# Allegro board 1140022-KU060_PCIE_FIBER_BOARD_V001_pcb166_20240120_1835_pcb.brd (continued)
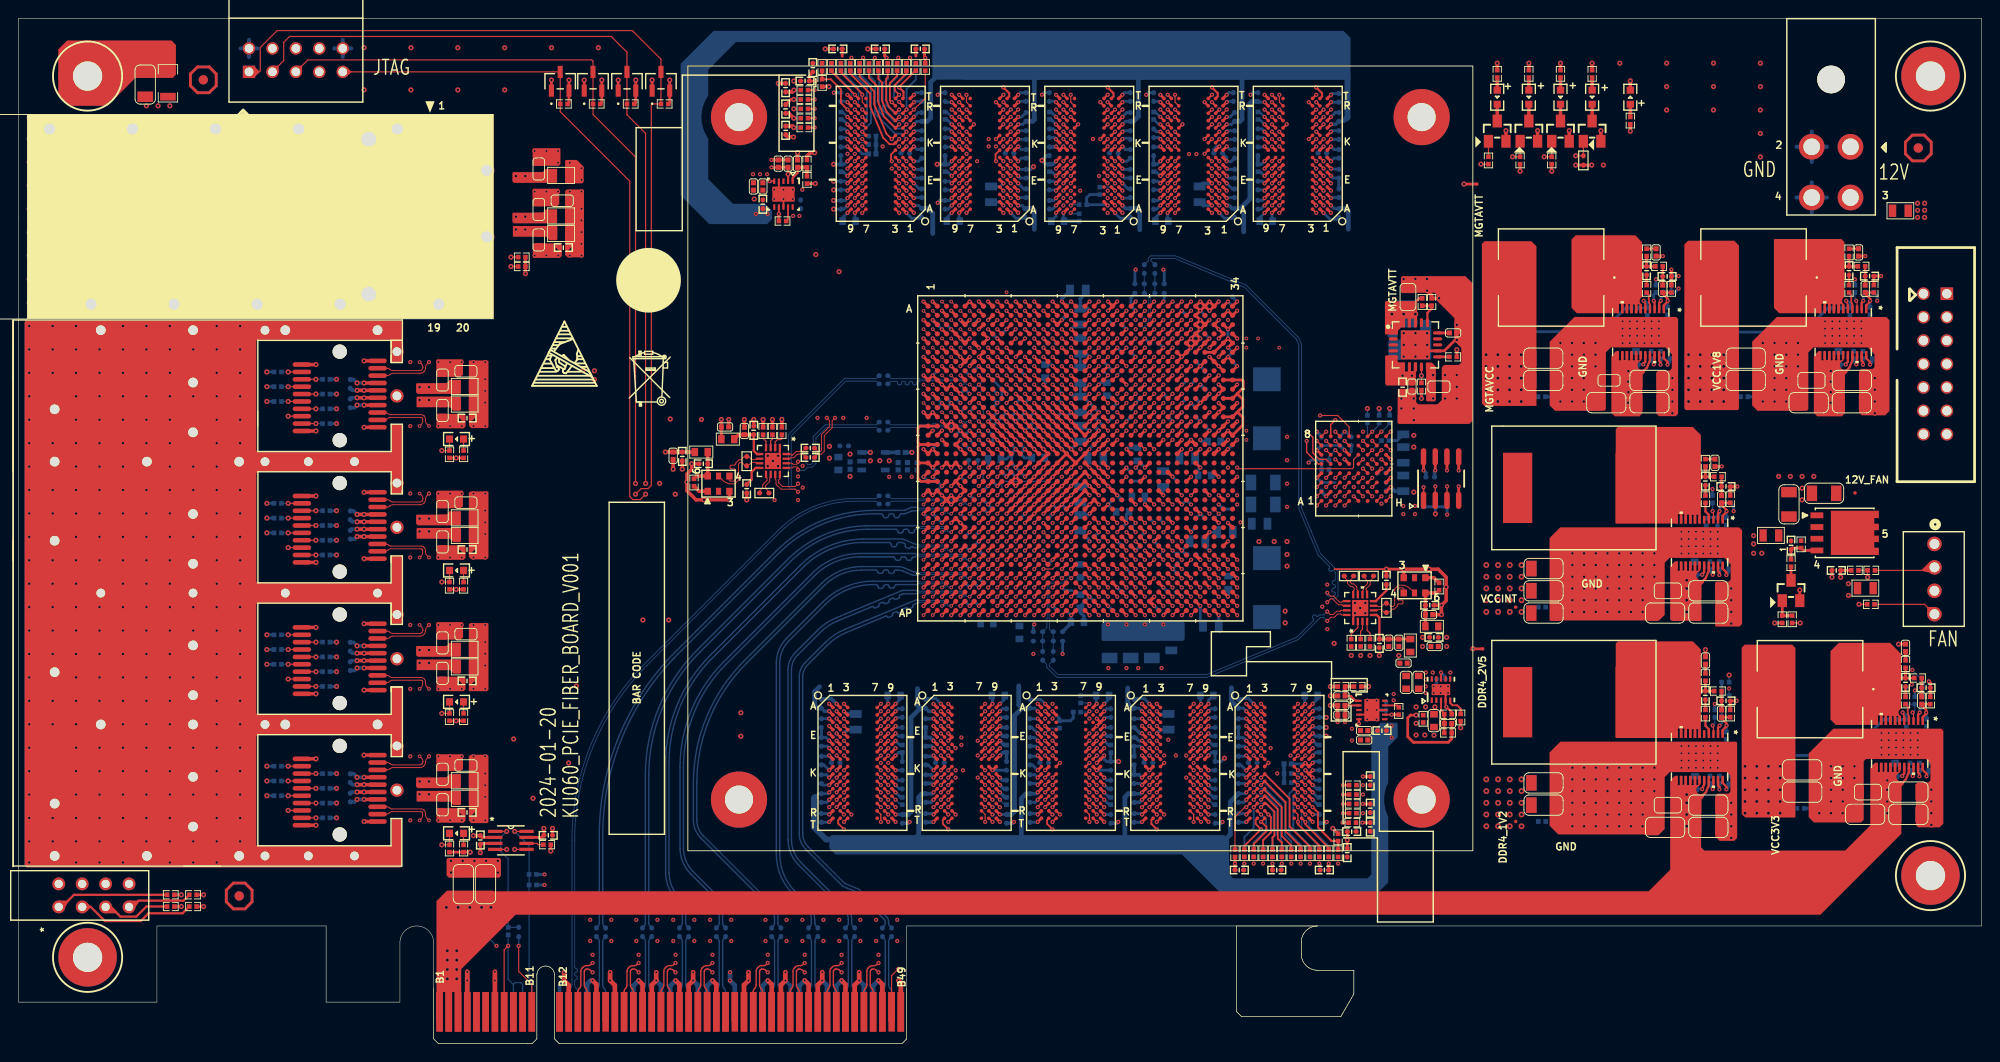
[diagram p0: board, top side]
## Copper pours and planes (outline as drawn; the poured copper is in the pictures) (continued)
VCC12V on TOP (solid shape): 175.98,75.05 175.98,74.88 175.98,74.86 175.94,74.76 175.92,74.66 175.92,74.1 175.83,74.01 175.82,74 175.54,73.37 176.18,73.11 176.28,73.1 176.33,73.02 176.33,72.78 176.04,72.49 176.04,68.33 175.71,68 173.05,68 172.67,68.38 172.67,74.58 173.16,75.07 173.48,75.07 173.48,74.13 173.53,74.08 173.66,74.08 173.72,74.13 173.72,75.07 173.99,75.07 173.99,74.17 174.04,74.11 174.16,74.11 174.21,74.17 174.21,75.08 174.5,75.08 174.5,74.12 174.55,74.07 174.67,74.07 174.72,74.12 174.72,75.08 174.99,75.08 174.99,74.13 175.04,74.08 175.17,74.08 175.22,74.13 175.22,75.07 175.49,75.07 175.49,74.14 175.54,74.09 175.67,74.09 175.72,74.14 175.72,75.06 175.76,75.1 175.94,75.1
VCC12V on TOP (solid shape): 197.93,75.05 197.93,74.88 197.92,74.86 197.88,74.76 197.87,74.66 197.87,74.1 197.78,74.01 197.77,74 197.48,73.37 198.13,73.11 198.22,73.1 198.27,73.02 198.27,72.78 197.98,72.49 197.98,68.33 197.65,68 195,68 194.62,68.38 194.62,74.58 195.11,75.07 195.43,75.07 195.43,74.13 195.48,74.08 195.61,74.08 195.66,74.13 195.66,75.07 195.94,75.07 195.94,74.17 195.99,74.11 196.1,74.11 196.15,74.17 196.15,75.08 196.44,75.08 196.44,74.12 196.49,74.07 196.61,74.07 196.66,74.12 196.66,75.08 196.94,75.08 196.94,74.13 196.99,74.08 197.11,74.08 197.17,74.13 197.17,75.07 197.44,75.07 197.44,74.14 197.49,74.09 197.62,74.09 197.67,74.14 197.67,75.06 197.7,75.1 197.88,75.1
VCC12V on TOP (solid shape): 204.05,30.42 204.05,30.24 204.04,30.23 204,30.13 203.99,30.02 203.99,29.47 203.9,29.37 203.89,29.37 203.6,28.73 204.25,28.47 204.35,28.47 204.39,28.38 204.39,28.15 204.1,27.86 204.1,22.74 195.34,13.97 53.9,13.97 48.01,8.08 48.01,1.4 47.9,1.3 47.29,1.3 47.29,5.59 46.99,5.59 46.99,1.3 46.3,1.3 46.3,5.59 46,5.59 46,1.35 45.95,1.3 45.69,1.3 45.68,1.31 45.35,1.31 45.31,1.35 45.31,15.44 46.46,16.59 51.44,16.59 51.51,16.51 176.71,16.51 179.05,18.85 179.05,28.53 179.54,29.02 179.86,29.02 179.86,28.08 179.91,28.03 180.04,28.03 180.09,28.08 180.09,29.02 180.37,29.02 180.37,28.12 180.42,28.06 180.53,28.06 180.59,28.12 180.59,29.02 180.88,29.02 180.88,28.07 180.93,28.02 181.04,28.02 181.1,28.07 181.1,29.03 181.37,29.03 181.37,28.08 181.42,28.03 181.55,28.03 181.6,28.08 181.6,29.02 181.87,29.02 181.87,28.09 181.92,28.04 182.05,28.04 182.1,28.09 182.1,29.01 182.14,29.05 182.32,29.05 182.36,29 182.36,28.83 182.36,28.81 182.32,28.71 182.3,28.61 182.3,28.05 182.21,27.96 182.2,27.95 181.91,27.32 182.56,27.06 182.66,27.05 182.7,26.97 182.7,26.73 182.42,26.44 182.42,22.99 182.4,22.97 182.4,21.29 182.75,20.93 198.02,20.93 200.74,23.65 200.74,29.95 201.23,30.44 201.55,30.44 201.55,29.49 201.6,29.44 201.73,29.44 201.78,29.49 201.78,30.44 202.06,30.44 202.06,29.53 202.11,29.48 202.22,29.48 202.27,29.53 202.27,30.44 202.56,30.44 202.56,29.49 202.61,29.44 202.73,29.44 202.78,29.49 202.78,30.44 203.06,30.44 203.06,29.49 203.11,29.44 203.24,29.44 203.29,29.49 203.29,30.44 203.56,30.44 203.56,29.5 203.61,29.45 203.74,29.45 203.79,29.5 203.79,30.43 203.83,30.46 204.01,30.46
VCC12V on TOP: 204.57,91.82 207.44,91.82 207.54,91.72 207.54,89.51 207.14,89.1 204.62,89.1 204.39,89.33 204.39,91.64
VCC12V on TOP: 187.66,56.11 189.43,56.11 189.59,55.96 189.59,54.2 189.57,54.19 189.57,52.79 189.53,52.76 187.71,52.76 187.55,52.91 187.55,56.01
VCC12V on BOTTOM: 179.27,49.02 179.27,49.03 179.27,50.06 179.76,50.55 180.77,50.55 182.39,48.93 182.39,45.76 182.27,45.64 179.32,45.64 179.27,45.7
VCC12V on BOTTOM: 173.05,68.06 172.89,68.23 172.89,71.83 172.89,71.84 172.89,72.66 173.46,73.23 174.52,73.23 176.01,71.74 176.01,68.23 175.85,68.06
VCC12V on BOTTOM: 46.18,5.92 46.18,10.31 46.3,10.44 47.9,10.44 48.03,10.31 48.03,1.27 47.99,1.23 47.33,1.23 47.27,1.3 47.27,5.61 46.99,5.61 46.99,1.27 46.94,1.22 46.41,1.22 46.33,1.3 46.33,5.77
VCC12V on BOTTOM: 195,68.06 194.83,68.23 194.83,71.83 194.84,71.84 194.84,72.66 195.4,73.23 196.47,73.23 197.96,71.74 197.96,68.23 197.79,68.06
VCC12V on BOTTOM: 179.27,25.78 179.27,25.79 179.27,26.49 180.14,27.36 180.85,27.36 182.39,25.81 182.39,22.42 182.3,22.33 179.45,22.33 179.27,22.51
VCC12V on BOTTOM: 201.12,23.43 200.95,23.59 200.95,28.18 201.65,28.88 202.51,28.88 204.08,27.32 204.08,23.59 203.91,23.43
VCC12V on ART05: 202.95,81.08 202.95,15.93 201,13.98 54.39,13.98 51.16,10.74 51.16,6.83 50.47,6.15 46.33,6.15 45.9,6.58 45.9,15.75 46.66,16.51 170.36,16.51 171.45,17.6 171.45,92.48 173.58,94.61 173.58,98.86 174.27,99.54 175.26,99.54 180.94,93.87 185.48,93.87 185.5,93.85 206.73,93.85 207.57,93.01 207.57,85.7
VCC12VIN on TOP: 197.31,98.83 203.28,98.83 203.56,98.55 203.56,89.71 203.17,89.33 197.36,89.33 196.95,89.74 196.95,98.48
CHA_12V_FAN on TOP: 196.6,60.55 207.87,60.55 208.53,59.89 208.53,53.04 208.18,52.68 196.88,52.68 196.49,53.06 196.49,60.45
CHA_DDR4_2V5 on TOP: 153.87,35.81 153.87,35.38 153.85,35.36 151.21,35.36 151.1,35.46 151.1,37.31 151.31,37.52 153.31,37.52 153.31,36.93 153.59,36.93 153.59,37.52 153.82,37.52 153.82,35.86
CHA_DDR4_2V5 on TOP: 83.85,91.06 84.86,91.06 84.99,90.93 84.99,89.71 84.79,89.51 83.87,89.51 83.79,89.59 83.79,91.01
CHA_DDR4_2V5 on TOP: 147.8,38 147.88,38.07 149.33,38.07 149.4,38 149.4,37.13 149.25,36.98 147.93,36.98 147.8,37.11
CHA_DDR4_2V5 on BOTTOM: 148.97,35.36 148.69,35.64 148.69,36.78 148.03,36.78 147.96,36.86 147.96,38.54 147.32,39.18 138.19,39.18 138.18,39.17 132.33,38.35 86.61,38.35 86.49,38.48 86.49,38.89 86.69,39.09 130.61,39.09 137.41,41.45 149.33,41.45 149.35,41.48 155.09,41.48 155.32,41.71 155.32,83.49 152.2,86.61 83.49,86.61 82.04,88.06 82.04,90.5 82.35,90.81 85.83,90.81 88.24,88.39 153.7,88.39 158.09,84 158.09,36.25 157.23,35.38 153.87,35.38 153.85,35.36 ; 4 cut-outs
CHA_DDR4_2V5 on ART05: 121.06,25.04 121.06,23.06 121.28,22.83 128.12,22.83 128.52,23.24 128.52,24.89 128.7,25.07 131.98,25.07 132.28,24.77 132.28,23.57 132.89,22.96 139.67,22.96 139.85,23.14 139.85,24.79 139.83,24.82 140.06,25.04 141.25,25.04 141.68,25.48 141.68,32.26 143.13,33.71 147.02,33.71 147.68,34.37 147.68,37.1 148.72,38.14 151.79,38.14 152.36,37.57 156.21,37.57 156.59,37.19 156.59,23.44 154.53,21.39 118.8,21.39 117.37,22.81 117.37,24.99 117.55,25.17 120.93,25.17
CHA_DDR4_2V5 on ART10: 109.5,101.85 109.5,103.71 109.23,103.98 101.83,103.98 101.42,103.57 101.42,101.92 101.24,101.75 97.85,101.75 97.66,101.93 97.66,103.24 97.05,103.85 90.78,103.85 90.3,103.37 90.3,101.93 90.14,101.77 88.16,101.77 87.81,101.42 87.81,90.25 86.87,89.31 82.52,89.31 82.19,89.64 82.19,105 82.2,105 82.2,105.74 82.98,106.53 122.57,106.53 124.05,105.05 124.05,102.05 123.83,101.82 122.58,101.82 122.57,101.81 120.69,101.81 120.52,101.98 120.52,103.19 119.91,103.8 113.56,103.8 112.73,102.97 112.73,101.95 112.52,101.75 109.61,101.75
CHA_DDR4_C1_VREF on BOTTOM (solid shape): 149.5,34.67 149.5,33.2 148.49,32.18 148.49,28.3 148.04,26.45 148.49,24.6 148.49,17.48 147.19,16.18 130.45,16.18 126.14,20.5 88.57,20.5 87.91,21.16 87.91,22.38 88.14,22.61 130.71,22.61 131.24,22.07 131.24,18.36 131.7,17.91 146.23,17.91 146.65,18.33 146.65,33.74 147.7,34.8 149.38,34.8
CHA_DDR4_C1_VREF on TOP: 147.8,34.85 147.8,35.23 147.88,35.31 148.67,35.31 148.68,35.29 149.34,35.29 149.48,35.15 149.48,32.94 149.35,32.82 148.23,32.82 148.08,32.97 148.08,34.57
CHA_DDR4_C1_VTT on TOP: 145.59,36.32 145.64,36.27 145.64,36.04 145.62,36.01 144.8,36.01 144.73,35.94 144.73,34.65 145.08,34.29 145.62,34.29 145.69,34.21 145.69,32.71 145.62,32.64 144.42,32.64 144.3,32.77 144.3,36.19 144.42,36.32
CHA_DDR4_C1_VTT on TOP: 144.3,20.45 144.78,20.93 144.78,28.37 144.83,28.42 147.5,28.42 147.75,28.17 147.75,18.67 146.74,17.65 132.79,17.65 132.49,17.96 132.49,20.4 132.54,20.45 ; 18 cut-outs
CHA_DDR4_C1_VTT on BOTTOM: 132.64,20.45 142.52,20.45 142.8,20.73 142.8,24.28 142.24,24.84 142.24,33.93 142.42,34.11 143.76,34.11 143.99,34.34 145.54,34.34 146.25,33.63 146.25,19.89 145.64,19.28 132.69,19.28 132.59,19.38 132.59,20.4
CHA_DDR4_C2_VREF on BOTTOM (solid shape): 144.4,109.04 144.4,104.5 102.34,104.5 102.32,104.51 99.15,104.51 99.06,104.6 99.06,108.36 98.83,108.58 77.77,108.58 74.78,105.59 74.78,102.78 74.04,100.45 74.78,98.12 74.78,93.73 77.44,91.06 80.92,91.06 81.69,90.3 81.69,89.38 81.15,88.85 74.88,88.85 71.78,91.95 71.78,106.22 75.36,109.8 143.64,109.8
CHA_DDR4_C2_VREF on TOP: 81.99,91.01 82.07,90.93 82.07,90.22 81.94,90.09 81.94,89.46 81.81,89.33 79.71,89.33 79.58,89.46 79.58,90.58 79.81,90.81 81,90.81 81.2,91.01 ; 1 cut-out
CHA_DDR4_C2_VTT on TOP: 83.08,93.22 83.03,93.17 82.8,93.17 82.77,93.19 82.77,94.01 82.7,94.08 81.41,94.08 81.05,93.73 81.05,93.19 80.98,93.12 79.47,93.12 79.4,93.19 79.4,94.39 79.53,94.52 82.95,94.52 83.08,94.39
CHA_DDR4_C2_VTT on TOP: 97.49,106.05 85.65,106.05 85.06,105.46 85.06,99.06 84.96,98.96 83.9,98.96 83.77,99.09 83.77,106.68 84.4,107.31 97.43,107.31 97.59,107.16 97.59,106.15
CHA_DDR4_C2_VTT on BOTTOM: 97.49,106.05 87.58,106.05 87.48,105.94 87.48,101.75 87.99,101.24 87.99,93.68 87.63,93.32 79.58,93.32 79.17,93.73 79.17,94.87 82.07,97.76 82.52,97.76 83.03,98.27 83.03,107.04 83.31,107.31 97.43,107.31 97.59,107.16 97.59,106.15
CHA_MGTAVCC on TOP (solid shape): 164.56,86.44 164.56,69.14 158.89,69.14 158.64,69.39 158.64,86.72 158.92,87 164,87
CHA_MGTAVCC on BOTTOM: 159.18,69.14 158.72,69.6 158.72,76.98 159.18,77.44 164.43,77.44 164.56,77.32 164.56,71.12 164.94,70.74 164.94,69.37 164.71,69.14 ; 1 cut-out
CHA_MGTAVCC on PWER08: 90.22,46 89.66,46.56 89.66,86.69 91.55,88.57 165.6,88.57 165.91,88.26 165.91,67.18 127.08,67.18 126.8,67.47 126.8,70.79 126.39,71.2 103.68,71.2 103.33,70.84 103.33,46.21 103.12,46
CHA_MGTAVTT on TOP (solid shape): 151.61,80.42 151.61,77.72 151.54,77.65 151.26,77.65 151.26,78.61 150.95,78.61 150.95,77.65 150.6,77.65 150.6,78.61 150.29,78.61 150.29,77.65 149.89,77.65 149.53,77.29 149.53,76.94 149.48,76.89 148.18,76.89 148.13,76.94 148.13,80.42 148.21,80.49 151.54,80.49
CHA_MGTAVTT on BOTTOM (solid shape): 151.61,80.42 151.61,77.72 151.54,77.65 149.68,77.65 149.53,77.5 149.53,76.66 149.45,76.58 148.49,76.58 148.41,76.66 148.41,80.54 148.46,80.59 151.43,80.59
CHA_MGTAVTT on BOTTOM: 130.73,74.09 131.42,73.41 131.42,67.34 130.28,66.19 129.87,66.19 129.31,66.75 129.31,73.03 128.45,73.89 128.45,74.4 129.31,75.26 129.31,79.07 129.44,79.2 131.11,79.2 131.44,78.87 131.44,78.08 131.17,77.8 130.78,77.8 130.73,77.75
CHA_MGTAVTT on ART03: 100.3,78.74 100.3,57.43 100.11,57.24 91.63,57.24 90.81,58.06 90.81,69.42 87.78,72.44 85.98,72.44 70.75,87.67 70.75,109.39 71.54,110.17 155.23,110.17 157.38,108.03 157.38,76.66 156.54,75.82 129.69,75.82 129.54,75.97 129.54,77.14 129.96,77.56 129.96,78.5 130.05,78.59 130.56,78.59 131.01,79.04 144.78,79.04 147.52,81.79 147.52,105.47 146.43,106.57 77.28,106.57 77.23,106.51 75.68,106.51 74.75,105.59 74.75,94.31 90.09,78.97 100.08,78.97
CHA_MGTAVTT on ART10: 128.73,80.01 144.09,80.01 147.22,80.7 153.03,80.7 153.72,80.01 153.72,74.7 153.34,74.32 128.63,74.32 128.5,74.45 128.5,79.78
CHA_MGTAVTT on ART12: 102.77,56.57 103.71,55.63 103.71,50.16 103.19,49.64 102.4,49.64 101.09,48.34 99.8,48.34 99.14,49 98.98,49 98.86,49.12 98.86,49.53 99.44,50.11 101.27,50.11 101.5,50.34 101.5,51.64 101.19,51.94 99.87,51.94 99.64,52.17 99.64,52.55 98.86,53.34 98.86,53.54 99.52,54.2 99.52,56.72 99.26,56.97 98.98,56.97 98.86,57.1 98.86,57.54 99.39,58.08 99.44,58.08 99.44,60.05 98.83,60.66 98.83,61.72 99.11,62 101.37,62 101.75,61.62 101.75,59.21 101.9,59.05 102.34,59.05 102.77,58.62
CHA_MGTVCCAUX on BOTTOM: 93.52,62.46 97.64,62.46 97.76,62.33 97.76,60.93 97.56,60.73 93.65,60.73 93.47,60.91 93.47,62.41
CHA_MGTVCCAUX on ART12: 123.75,71.53 127.28,71.53 127.36,71.45 127.36,69.06 127.05,68.76 107.85,68.76 107.67,68.94 107.67,69.75 107.49,69.93 103.91,69.93 103.71,69.72 103.71,59.44 103.45,59.18 102.74,59.18 102.64,59.28 102.64,62.94 102.49,63.09 99.11,63.09 96.88,60.86 94.26,60.86 94.06,61.06 94.06,64.85 97.26,68.05 99.34,68.05 99.54,68.25 99.54,73.63 100,74.09 120.4,74.09 120.73,73.76 120.73,72.03 120.8,71.96 123.32,71.96
CHA_QSFP0_VCCI on TOP (solid shape): 58.39,90.43 58.39,89 58.32,88.93 53.72,88.93 53.54,89.1 53.54,90.02 53.62,90.09 56.82,90.09 57.18,90.45 58.37,90.45
CHA_QSFP0_VCCI on ART03: 49,91.11 54.79,91.11 55.3,90.6 55.3,89.51 55.09,89.31 53.29,89.31 52.17,90.42 49,90.42 48.9,90.53 48.9,91.01
CHA_QSFP0_VCCRX on TOP (solid shape): 58.39,94.82 58.39,93.4 58.32,93.32 53.72,93.32 53.54,93.5 53.54,94.41 53.62,94.49 56.82,94.49 57.18,94.84 58.37,94.84
CHA_QSFP0_VCCRX on ART03: 53.49,94.06 53.82,93.73 55.04,93.73 55.21,93.89 55.21,97.89 53.61,99.49 43.31,99.49 41.76,97.94 41.76,89.88 42.66,88.98 44.04,88.98 44.2,89.13 44.2,89.64 44.07,89.76 43.81,89.76 43.13,90.45 43.13,97.16 43.92,97.94 52.78,97.94 53.49,97.23
CHA_QSFP0_VCCTX on TOP (solid shape): 58.42,88.55 58.42,87.22 58.29,87.1 57.58,87.1 57.2,87.48 53.62,87.48 53.59,87.5 53.59,88.57 53.67,88.65 58.32,88.65
CHA_QSFP0_VCCTX on ART03: 48.95,90.14 51.87,90.14 53.09,88.93 55.07,88.93 55.22,88.77 55.22,87.99 55.07,87.83 52.96,87.83 51.38,89.41 48.97,89.41 48.84,89.53 48.84,90.04
CHA_SFP0_VCCRX on TOP (solid shape): 47.98,70.05 47.98,68.73 47.85,68.61 47.14,68.61 46.76,68.99 43.18,68.99 43.15,69.01 43.15,70.08 43.23,70.16 47.88,70.16
CHA_SFP0_VCCRX on BOTTOM: 39.33,70.3 40.4,69.23 42.33,69.23 43.21,70.11 44.64,70.11 44.84,69.9 44.84,69.18 43.59,67.92 40.23,67.92 38.48,69.67 36.5,69.67 36.45,69.72 36.45,70.26 36.49,70.3
CHA_SFP0_VCCTX on TOP (solid shape): 47.96,71.93 47.96,70.51 47.88,70.44 43.28,70.44 43.1,70.61 43.1,71.53 43.18,71.6 46.38,71.6 46.74,71.96 47.93,71.96
CHA_SFP0_VCCTX on BOTTOM: 44.91,71.93 44.91,70.99 44.7,70.79 43.46,70.79 43.05,71.2 40.36,71.2 39.75,70.59 36.47,70.59 36.45,70.61 36.45,71.1 36.5,71.15 38.66,71.15 39.93,72.42 44.42,72.42
CHA_SFP1_VCCRX on TOP (solid shape): 47.98,55.8 47.98,54.48 47.85,54.36 47.14,54.36 46.76,54.74 43.18,54.74 43.15,54.76 43.15,55.83 43.23,55.91 47.88,55.91
CHA_SFP1_VCCRX on BOTTOM: 36.53,56.08 39.29,56.08 40.4,54.98 42.33,54.98 43.21,55.86 44.64,55.86 44.84,55.65 44.84,54.93 43.73,53.81 39.76,53.81 38.15,55.42 36.5,55.42 36.45,55.47 36.45,56.01
CHA_SFP1_VCCTX on TOP (solid shape): 47.96,57.68 47.96,56.26 47.88,56.19 43.28,56.19 43.1,56.36 43.1,57.28 43.18,57.35 46.38,57.35 46.74,57.71 47.93,57.71
CHA_SFP1_VCCTX on BOTTOM: 44.91,57.68 44.91,56.74 44.7,56.54 43.46,56.54 43.05,56.95 40.36,56.95 40.35,56.93 40.04,56.93 39.4,56.29 36.5,56.29 36.45,56.34 36.45,56.85 36.5,56.9 38.02,56.9 39.29,58.17 44.42,58.17
CHA_SFP2_VCCRX on TOP (solid shape): 47.98,41.55 47.98,40.23 47.85,40.11 47.14,40.11 46.76,40.49 43.18,40.49 43.15,40.51 43.15,41.58 43.23,41.66 47.88,41.66
CHA_SFP2_VCCRX on BOTTOM: 36.53,41.83 39.07,41.83 40.17,40.73 42.33,40.73 43.21,41.61 44.64,41.61 44.84,41.4 44.84,40.68 43.59,39.42 39.5,39.42 37.74,41.17 36.5,41.17 36.45,41.22 36.45,41.76
CHA_SFP2_VCCTX on TOP (solid shape): 47.96,43.43 47.96,42.01 47.88,41.94 43.28,41.94 43.1,42.11 43.1,43.03 43.18,43.1 46.38,43.1 46.74,43.46 47.93,43.46
CHA_SFP2_VCCTX on BOTTOM: 44.91,43.43 44.91,42.49 44.7,42.29 43.46,42.29 43.05,42.7 39.83,42.7 39.17,42.04 36.5,42.04 36.45,42.09 36.45,42.6 36.5,42.65 37.82,42.65 39.09,43.92 44.42,43.92
CHA_SFP3_VCCRX on TOP (solid shape): 47.98,27.3 47.98,25.98 47.85,25.86 47.14,25.86 46.76,26.24 43.18,26.24 43.15,26.26 43.15,27.33 43.23,27.41 47.88,27.41
CHA_SFP3_VCCRX on BOTTOM: 36.53,27.58 39.29,27.58 40.4,26.48 42.33,26.48 43.21,27.36 44.64,27.36 44.84,27.15 44.84,26.43 43.59,25.17 40.23,25.17 38.48,26.92 36.5,26.92 36.45,26.97 36.45,27.51
CHA_SFP3_VCCTX on TOP (solid shape): 47.96,29.18 47.96,27.76 47.88,27.69 43.28,27.69 43.1,27.86 43.1,28.78 43.18,28.85 46.38,28.85 46.74,29.21 47.93,29.21
CHA_SFP3_VCCTX on BOTTOM: 44.91,29.18 44.91,28.24 44.7,28.04 43.46,28.04 43.05,28.45 40.36,28.45 39.7,27.79 36.5,27.79 36.45,27.84 36.45,28.35 36.5,28.4 38.66,28.4 39.93,29.67 44.42,29.67
CHA_VCCAUX on BOTTOM: 114.47,58.19 114.43,58.24 114.43,59.08 114.55,59.21 115.82,59.21 116.15,59.54 116.15,60 116.76,60.61 116.89,60.61 117.17,60.89 117.17,62.03 116.95,62.24 116.95,65.8 117.42,66.27 117.42,66.95 117.6,67.13 118.57,67.13 118.82,66.88 118.82,61.62 117.95,60.76 117.81,60.62 117.81,58.45 117.55,58.19 ; 1 cut-out
CHA_VCCAUX on ART10: 104.47,57.45 104.47,61.85 104.7,62.08 106.27,62.08 106.43,62.23 106.43,64.36 106.4,64.39 104.62,64.39 104.47,64.54 104.47,67.89 104.72,68.15 114.45,68.15 114.91,68.61 116.18,68.61 116.26,68.53 116.26,68.5 116.64,68.12 116.87,68.12 117.37,67.61 117.37,65.46 118.36,64.47 118.36,61.49 118.21,61.34 115.21,61.34 114.73,60.86 111.93,60.86 111.72,60.66 111.72,57.77 111.33,57.38 104.55,57.38
CHA_VCCINT on BOTTOM (solid shape): 126.42,45.57 126.42,43.84 126.24,43.66 117.5,43.66 117.42,43.74 117.42,45.5 117.63,45.71 126.28,45.71
CHA_VCCINT on TOP: 164.58,45.08 164.39,44.88 157.33,44.88 155.83,46.38 155.83,50.7 154.61,51.92 141.53,51.92 139.66,50.05 139.66,42.15 138.85,41.34 118.17,41.34 117.32,42.19 117.32,45.36 117.58,45.62 132.18,45.62 132.99,46.43 132.99,60.76 133.2,60.96 138.66,60.96 139.4,60.22 139.4,57.25 139.85,56.79 156.13,56.79 157.07,57.73 157.07,63.98 157.48,64.39 164.15,64.39 164.58,63.96
CHA_VCCINT on BOTTOM: 159.38,45.72 158.88,46.23 158.88,52.91 159.16,53.19 164.41,53.19 164.58,53.01 164.58,48.31 164.97,47.93 164.97,46.1 164.58,45.72 ; 1 cut-out
CHA_VCCINT on BOTTOM: 135.03,55.7 135.03,62.05 134.47,62.61 133.1,62.61 132.64,63.07 132.64,66.8 132.77,66.93 137.69,66.93 137.79,66.83 137.79,51.46 137.64,51.31 133.71,51.31 133.63,51.38 133.63,54.31
CHA_VCCINT on ART05: 163.39,41.64 162.69,40.94 143.73,40.94 135.22,49.45 132,50.77 114.76,50.77 114.55,50.98 114.55,53.82 114.38,54 113.08,54 112.98,54.1 112.98,62.1 113.02,62.14 113.02,62.95 113.16,63.09 117.5,63.09 117.74,62.85 117.74,60.48 119.16,59.05 127.23,59.05 127.79,58.5 127.79,57.25 128.04,57 133.32,57 138.71,54.81 138.73,54.8 162.85,54.8 163.39,54.27
CHA_VCCINT on PWER07: 132.21,45.57 131.85,45.93 131.85,52.73 131.32,53.26 127.59,53.26 127.03,53.83 127.03,56.42 126.24,57.2 105.11,57.2 105.05,57.26 105.05,69.44 105.39,69.77 117.68,69.77 118.82,70.91 118.82,74.51 119.1,74.8 165.84,74.8 166.17,74.47 166.17,70.21 166.09,70.13 166.09,69.92 166.17,69.85 166.17,45.57
CHA_VCCINT on PWER08: 103.84,70.63 103.89,70.69 126.18,70.69 126.29,70.58 126.29,67.26 126.87,66.67 165.91,66.67 165.91,38.13 165.66,37.87 108.1,37.87 107.87,38.1 107.87,53.77 107.42,54.23 103.91,54.23 103.84,54.31
DDR4_1V2 on TOP: 164.58,23.37 164.2,22.99 159.05,22.99 158.67,23.37 158.67,40.95 158.87,41.15 164.15,41.15 164.58,40.72
DDR4_1V2 on BOTTOM: 159,22.99 158.65,23.34 158.65,29.39 158.93,29.67 164.33,29.67 164.58,29.41 164.58,24.82 164.97,24.44 164.97,23.16 164.8,22.99 ; 1 cut-out
DDR4_1V2 on BOTTOM: 117.14,50.93 117.57,50.5 117.57,49.09 117.25,48.77 115.77,48.77 115.31,48.31 114.73,48.31 113.77,49.28 113.77,49.41 114.19,49.84 114.46,49.84 114.71,50.09 114.71,50.83 114.81,50.93
DDR4_1V2 on PWER07: 88.55,22.81 80.95,30.41 80.95,102.56 82.27,103.89 143.13,103.89 144.07,102.94 144.07,75.3 118.89,75.3 118.31,74.72 118.31,71.12 117.47,70.28 105.18,70.28 104.55,69.65 104.55,57.04 104.9,56.69 126.03,56.69 126.52,56.21 126.52,53.62 127.38,52.76 131.11,52.76 131.34,52.52 131.34,45.72 132,45.06 166.17,45.06 166.17,23.32 165.66,22.81
N24127214 on TOP (solid shape): 182.38,65.98 182.38,56.37 182.12,56.37 182.1,56.4 182.1,57.29 182.05,57.34 181.93,57.34 181.88,57.29 181.88,56.4 181.85,56.37 181.6,56.37 181.6,57.28 181.55,57.33 181.42,57.33 181.37,57.28 181.37,56.37 181.11,56.37 181.09,56.4 181.09,57.31 181.04,57.36 180.92,57.36 180.87,57.31 180.87,56.37 180.62,56.37 180.59,56.4 180.59,57.34 180.54,57.39 180.42,57.39 180.37,57.34 180.37,56.4 180.35,56.37 180.11,56.37 180.09,56.39 180.09,57.35 180.04,57.4 179.92,57.4 179.87,57.35 179.87,56.37 173.14,56.37 173.14,66.63 173.37,66.86 181.5,66.86
N24600788 on BOTTOM: 149.45,63.37 151.38,63.37 151.51,63.25 151.51,61.32 151.38,61.19 149.05,61.19 148.46,60.6 142.65,60.6 142.52,60.73 142.52,62.41 143.12,63.01 143.12,63.96 143.51,64.35 143.57,64.35 143.65,64.43 143.92,64.43 144.06,64.29 145.24,64.29 145.57,63.96 148.87,63.96 ; 2 cut-outs
N26805761 on TOP (solid shape): 17.07,108.28 17.07,105.05 16.71,104.7 12.67,104.7 9.65,101.68 5.41,101.68 4.32,102.77 4.32,107.8 5.28,108.76 16.59,108.76
N26902737 on TOP: 200.79,50.14 208.36,50.14 208.74,49.76 208.74,48.21 200.89,48.21 200.69,48.41 200.69,50.04
N27279036 on BOTTOM: 88.29,62.53 92.1,62.53 92.2,62.43 92.2,61.19 92.15,61.14 88.29,61.14 88.24,61.19 88.24,62.48
N27389672 on TOP (solid shape): 182.38,42.74 182.38,33.13 182.12,33.13 182.1,33.16 182.1,34.05 182.05,34.1 181.93,34.1 181.88,34.05 181.88,33.16 181.85,33.13 181.6,33.13 181.6,34.03 181.55,34.09 181.42,34.09 181.37,34.03 181.37,33.13 181.11,33.13 181.09,33.16 181.09,34.07 181.04,34.12 180.92,34.12 180.87,34.07 180.87,33.13 180.62,33.13 180.59,33.16 180.59,34.1 180.54,34.15 180.42,34.15 180.37,34.1 180.37,33.16 180.35,33.13 180.11,33.13 180.09,33.15 180.09,34.1 180.04,34.16 179.92,34.16 179.87,34.1 179.87,33.13 173.14,33.13 173.14,43.39 173.37,43.61 181.5,43.61
N27394308 on TOP (solid shape): 176,86.89 176,80.93 175.74,80.54 176,80.14 176,79.18 175.75,79.18 175.72,79.21 175.72,80.1 175.67,80.15 175.55,80.15 175.5,80.1 175.5,79.21 175.47,79.18 175.22,79.18 175.22,80.08 175.17,80.14 175.04,80.14 174.99,80.08 174.99,79.18 174.74,79.18 174.71,79.21 174.71,80.12 174.66,80.17 174.55,80.17 174.5,80.12 174.5,79.18 174.24,79.18 174.21,79.21 174.21,80.15 174.16,80.2 174.04,80.2 173.99,80.15 173.99,79.21 173.97,79.18 173.73,79.18 173.72,79.2 173.72,80.15 173.66,80.21 173.54,80.21 173.49,80.15 173.49,79.18 168.93,79.18 168.35,79.77 168.35,87.17 168.82,87.64 175.25,87.64
N28465571 on TOP: 190.75,57.73 195.55,57.73 195.66,57.63 195.66,54.53 195.53,54.41 190.55,54.41 190.45,54.51 190.45,57.43
N28499917 on TOP (solid shape): 197.94,86.89 197.94,80.93 197.69,80.54 197.94,80.14 197.94,79.18 197.69,79.18 197.67,79.21 197.67,80.1 197.61,80.15 197.49,80.15 197.44,80.1 197.44,79.21 197.42,79.18 197.16,79.18 197.16,80.08 197.11,80.14 196.99,80.14 196.94,80.08 196.94,79.18 196.68,79.18 196.66,79.21 196.66,80.12 196.61,80.17 196.49,80.17 196.44,80.12 196.44,79.18 196.18,79.18 196.16,79.21 196.16,80.15 196.11,80.2 195.99,80.2 195.94,80.15 195.94,79.21 195.91,79.18 195.68,79.18 195.66,79.2 195.66,80.15 195.61,80.21 195.49,80.21 195.44,80.15 195.44,79.18 190.88,79.18 190.29,79.77 190.29,87.17 190.36,87.24 197.6,87.24
N28500189 on TOP (solid shape): 204.07,42.26 204.07,36.3 203.81,35.9 204.07,35.51 204.07,34.55 203.81,34.55 203.79,34.57 203.79,35.46 203.74,35.52 203.62,35.52 203.56,35.46 203.56,34.57 203.54,34.55 203.29,34.55 203.29,35.45 203.23,35.5 203.11,35.5 203.06,35.45 203.06,34.55 202.8,34.55 202.78,34.57 202.78,35.49 202.73,35.54 202.61,35.54 202.56,35.49 202.56,34.55 202.31,34.55 202.28,34.58 202.28,35.51 202.23,35.57 202.11,35.57 202.06,35.51 202.06,34.57 202.03,34.55 201.8,34.55 201.78,34.57 201.78,35.52 201.73,35.57 201.61,35.57 201.56,35.52 201.56,34.55 197,34.55 196.41,35.13 196.41,42.54 197.33,43.45 202.87,43.45
CHA_FPGA_TCK on TOP (solid shape): 26.13,105.4 26.15,105.36 26.13,105.32 25.67,104.85 24.98,105.36 25.67,105.87
N26902768 on TOP (solid shape): 207.71,51.64 207.17,51.06 206.33,51.25 206.28,51.29 206.3,51.35 207.14,52.19
N28540370 on TOP (solid shape): 10.67,14.33 10.69,14.19 10.58,14.11 9.45,14.11 9.42,14.83 10.11,14.9

Small or netless copper shapes (teardrops, artwork), in the pictures only: 88 on TOP, 10 on ART10

## Text on the board
BOTTOM: KU060_PCIE_FIBER_BOARD_V001 ARTWORK BOTTOM
Package Geometry/Pastemask Bottom: KU060_PCIE_FIBER_BOARD_V001 PASTEMASK BOTTOM
Ref Des/Silkscreen Bottom: KU060_PCIE_FIBER_BOARD_V001 SILKSCREEN BOTTOM
User.Comments: KU060_PCIE_FIBER_BOARD_V001 SOLDMASK TOP | KU060_PCIE_FIBER_BOARD_V001 SOLDMASK BOTTOM
TOP: KU060_PCIE_FIBER_BOARD_V001 ARTWORK TOP
Package Geometry/Pastemask Top: KU060_PCIE_FIBER_BOARD_V001 PASTEMASK TOP
Ref Des/Silkscreen Top: VCCINT | GND | 12V_FAN | MGTAVTT | DDR4_2V5 | MGTAVCC | DDR4_1V2 | VCC1V8 | VCC3V3 | JTAG | 12V | FAN | 2024-01-20 | KU060_PCIE_FIBER_BOARD_V001 | KU060_PCIE_FIBER_BOARD_V001 SILKSCREEN TOP
GND02: KU060_PCIE_FIBER_BOARD_V001 GROUND PLANE02
ART03: KU060_PCIE_FIBER_BOARD_V001 ARTWORK LAYER03
GND04: KU060_PCIE_FIBER_BOARD_V001 GROUND PLANE04
ART05: KU060_PCIE_FIBER_BOARD_V001 ARTWORK LAYER05
GND06: KU060_PCIE_FIBER_BOARD_V001 GROUND PLANE06
PWER07: KU060_PCIE_FIBER_BOARD_V001 POWER PLANE07
PWER08: KU060_PCIE_FIBER_BOARD_V001 POWER PLANE08
GND09: KU060_PCIE_FIBER_BOARD_V001 GROUND PLANE09
ART10: KU060_PCIE_FIBER_BOARD_V001 ARTWORK LAYER10
GND11: KU060_PCIE_FIBER_BOARD_V001 GROUND PLANE11
ART12: KU060_PCIE_FIBER_BOARD_V001 ARTWORK LAYER12
GND13: KU060_PCIE_FIBER_BOARD_V001 GROUND PLANE13
DIMENSION: CORE | PREPREG | ART10 | GND11 | ART12 | GND13 | GND06 | ART05 | TOP01 | ART03 | PWR07 | PWR08 | GND09 | BOT14 | GND02 | GND04 | Layers | Layer Stack up | Solder Top | Solder Bot | Silk Top | Silk Bot | Type | PP | (mil) | 1.4 | 4.2 | 0.6 | 3.9 | Thickness | Default | 0.5+plating | 0.5 | (Oz) | KU060_PCIE_FIBER_BOARD_V001 | KU060_PCIE_FIBER_BOARD_V001 DRILL CHART | 1--ARTWORK TOP | 2--GROUND PLANE02 | 3--ARTWORK LAYER03 | 4--GROUND PLANE04 | 5--ARTWORK LAYER05 | 6--GROUND PLANE06 | 7--POWER PLANE07 | 8--POWER PLANE08 | 9--GROUND PLANE09 | 10--ARTWORK LAYER10 | 11--GROUND PLANE11 | 12--ARTWORK LAYER12 | 13--GROUND PLANE13 | 14--ARTWORK BOTTOM
